# Altium PCB V1_PCB-main.PcbDoc (part 3 of 7)
Units mm, origin at the board's own origin, x right, y up, seen from the top; angles counter-clockwise.
Board outline 178 x 75 mm, 4 copper layers (Top Layer, Inner layer 1, Inner layer 2, Bottom Layer), stack 1.596 mm thick; 451 components, 230 nets, 1388 pads, 724 vias.
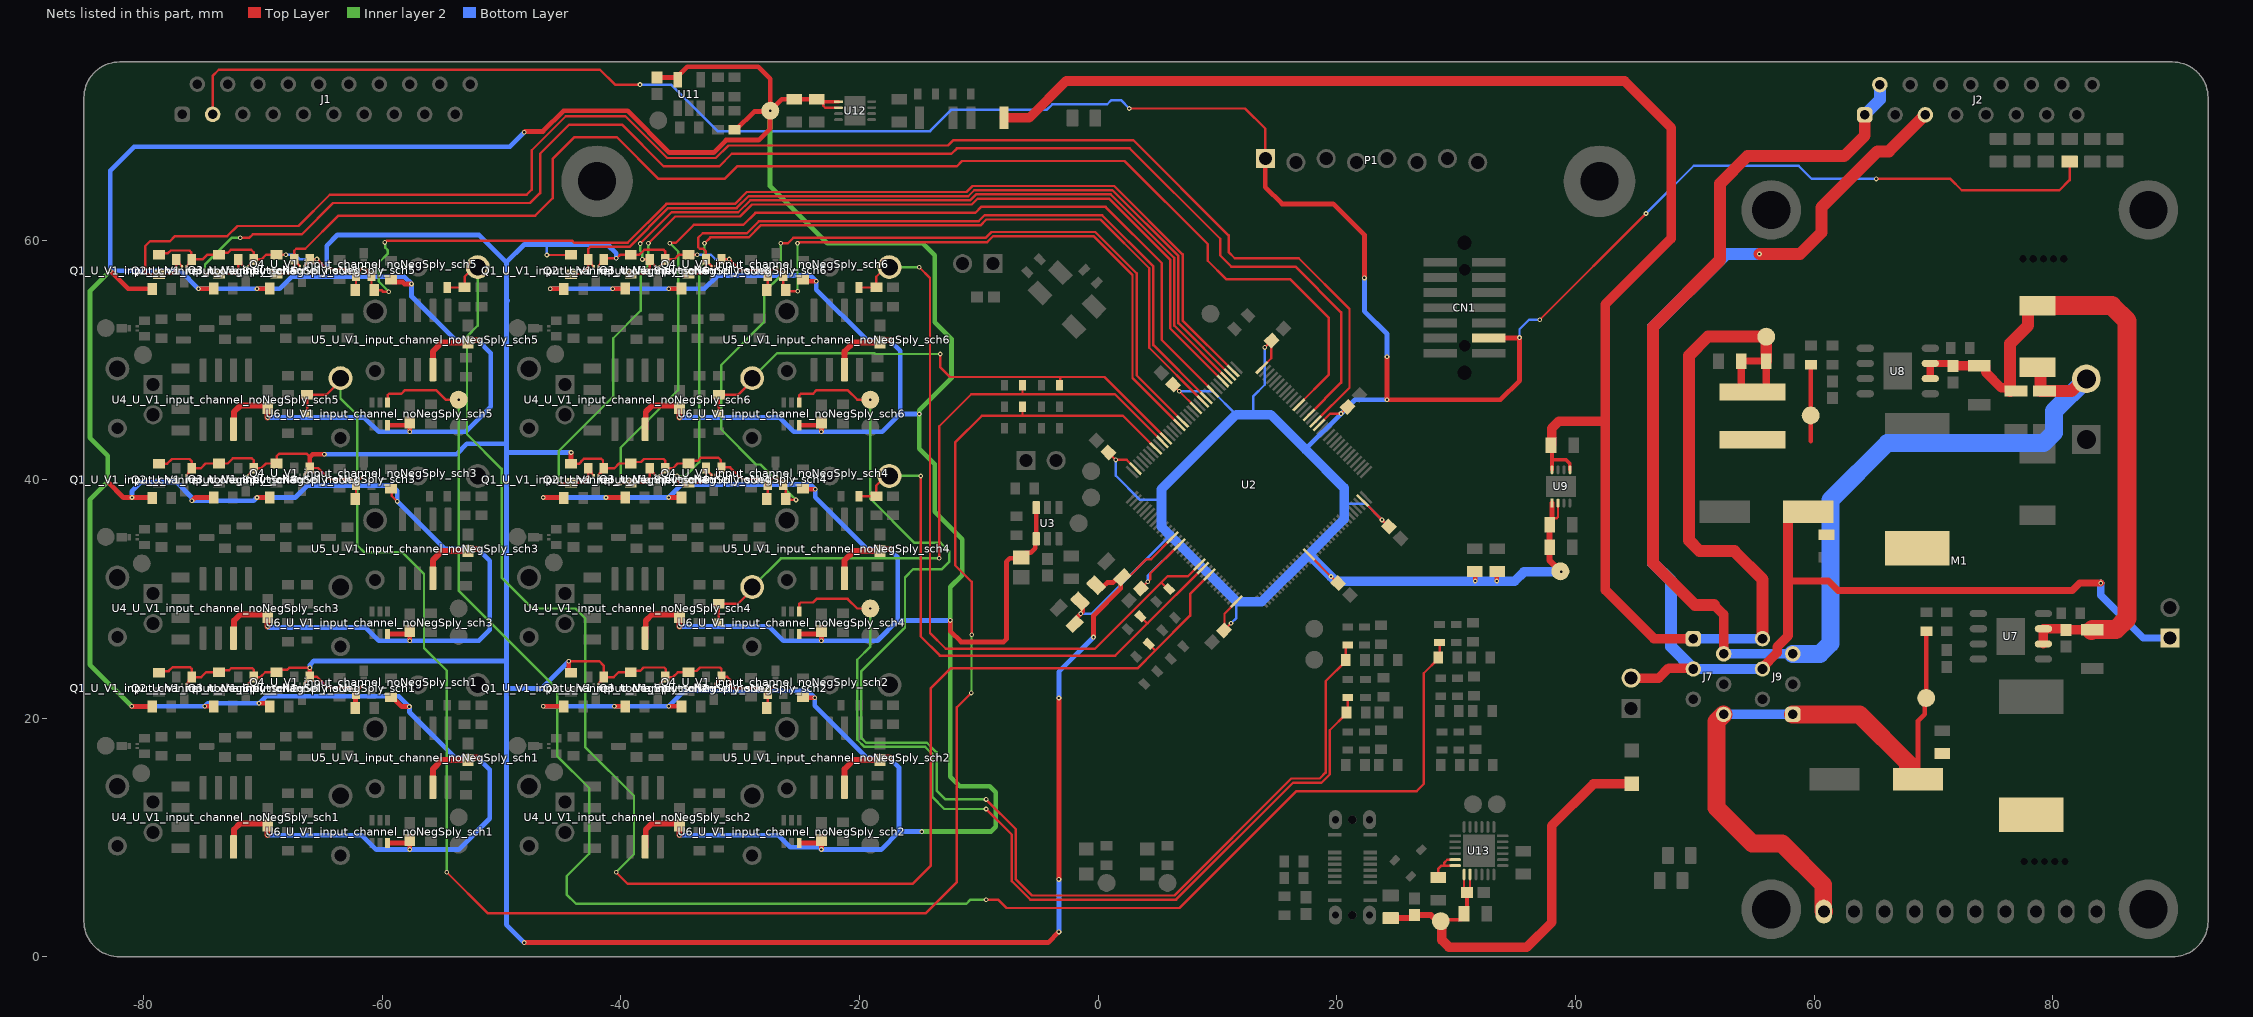
[diagram p5: the nets of this part, all layers, seen from the top]

## Via types
v1: diameter 0.4, hole 0.2, Top Layer to Bottom Layer, tented both sides, 712 vias
v2: diameter 0.5, hole 0.2, Top Layer to Bottom Layer, tented both sides, 12 vias

## Nets (pads, with @x,y where several pads share a name; then routed paths per layer and width w, separated by ;. In a path a pad name is that pad's centre, name@x,y a point inside that pad or via, vN(x,y) a via of type N, cw(c..) or ccw(c..) an arc to the next point about the centre after c; other vN are vias at no path point)
+3V3-MCU-SPLY: C3.1 C4.1 C5.1 C6.1 C7.1 C8.1 C9.1 C10.1 C11.2 C12.2 C16.2 C42.2 C43.2 CN1.3 FB1.1 FB8.1 J1.3 P1.1 TP15.1 U2.13 U2.31 U2.47 U2.64 U2.79 U2.95 U2.111 U2.128 U9.1 U9.2 | length 354.1
  Top Layer w0.2: J1.3@-74.22,70.6 -74.22,73.83 -73.7,74.35 -41.75,74.35 -40.5,73.1 v1(-38.4,73.1) ; C7.1@0.841,42.28 v1(1.47,41.65) 2.393,41.65 U2.31@3.129,40.914 ; v1(2.6,71.1) 12.3,71.1 14,69.4 P1.1@14,66.8 ; C4.1@3.571,30.871 v1(4.138,31.437) 4.35,31.65 4.35,32.127 U2.47@6.795,34.572 ; C5.1@6.271,47.954 6.271,47.923 v1(6.784,47.409) U2.13@8.205,45.989 ; C10.1@10.541,27.372 C10.1@10.575,27.406 ; v1(11.125,27.956) C10.1@10.575,27.406 ; U2.64@11.588,29.778 10.575,28.765 C10.1@10.575,27.406 ; U2.128@13.7,49.373 14.495,50.167 C8.1@14.495,51.62 ; v1(13.95,51.075) C8.1@14.495,51.62 ; C8.1@14.529,51.654 C8.1@14.495,51.62 ; U2.79@17.648,33.726 v1@19.525,31.85 ; U2.111@18.494,44.579 19.445,45.53 v1(20.345,45.53) 20.904,46.089 C3.1@20.904,46.104 ; v1(19.5,31.875) 20.054,31.321 C6.1@20.104,31.321 ; U2.95@22.16,38.238 v1(23.774,36.624) 24.326,36.072 C9.1@24.348,36.072 ; v1(37,53.4) v1(45.9,62.3) ; C43.2@37.825,36.225 37.825,36.425 38.025,36.625 38.175,36.775 38.421,36.775 38.525,36.879 U9.2@38.525,38.037 ; v1(65.2,65.2) 71.415,65.2 72.365,64.25 80.55,64.25 81.4,65.1 FB8.1@81.4,66.65
  Top Layer w0.4: C16.2@-1.982,27.903 -1.982,28.257 v1(-1.469,28.769) -1.3,28.938 -1.3,29.321 -1.159,29.463 -1.184,29.463 FB1.1@-1.525,29.803 ; P1.1@14,66.8 14,64.5 15.4,63.1 19.7,63.1 22.3,60.5 v1(22.3,56.9) ; v1(24.2,50.3) v1(24.2,46.7) 33.7,46.7 35.3,48.3 v1(35.3,51.9) 35.26,51.86 CN1.3@32.732,51.86 ; C11.2@31.556,32.303 31.6,32.259 v1(31.6,31.5) ; v1(33.4,31.5) 33.4,32.273 C12.2@33.43,32.303 ; C43.2@37.825,36.225 38.025,36.425 38.025,36.625 U9.1@38.025,38.037
  Top Layer w0.5: C43.2@37.825,36.225 C42.2@37.825,34.325 37.825,33.213 TP15.1@38.725,32.313
  Top Layer w0.6: v1(38.791,32.27) TP15.1@38.834,32.313
  Bottom Layer w0.2: v1(-38.4,73.1) -35.805,73.1 -31.905,69.2 -14.09,69.2 -12.29,71 -4.295,71 -3.845,71.45 0.75,71.45 1.1,71.8 1.9,71.8 v1(2.6,71.1) ; v1(-1.469,28.769) -0.531,28.769 6.025,35.325 ; v1(1.47,41.65) 1.47,40.33 3.5,38.3 5.3,38.3 ; v1(4.138,31.437) 4.138,31.938 6.737,34.538 6.813,34.538 ; v1(6.784,47.409) 9.591,47.409 11.55,45.45 ; v1(11.125,27.956) 11.575,28.406 11.575,29.775 ; 13,45.45 13,47 13.95,47.95 v1(13.95,51.075) ; 17.4,42.5 17.4,42.585 ; 20.6,37.988 22.41,37.988 v1(23.774,36.624) ; v1(35.3,51.9) 35.3,52.6 36.1,53.4 v1(37,53.4) ; v1(45.9,62.3) 49.9,66.3 58.69,66.3 59.79,65.2 v1(65.2,65.2)
  Bottom Layer w0.4: 17.4,42.585 v1(20.345,45.53) 21.515,46.7 v1(24.2,46.7) ; v1(22.3,56.9) 22.3,54.1 24.2,52.2 v1(24.2,50.3)
  Bottom Layer w0.8: v1(38.791,32.27) 35.67,32.27 34.9,31.5 v1(33.4,31.5) v1(31.6,31.5) 19.875,31.5 v1(19.5,31.875) 17.7,33.675 17.7,33.775 ; 17.7,33.775 20.6,36.675 20.6,37.988 20.6,39.3 17.4,42.5 14.45,45.45 13,45.45 11.55,45.45 5.3,39.2 5.3,38.3 5.3,36.05 6.025,35.325 6.813,34.538 11.575,29.775 13.7,29.775 17.7,33.775
+3V3-MCU-SPLY-ANALOG: C17.2 FB1.2 Q1_U_V1_input_channel_noNegSply_sch1.1 Q1_U_V1_input_channel_noNegSply_sch2.1 Q1_U_V1_input_channel_noNegSply_sch3.1 Q1_U_V1_input_channel_noNegSply_sch4.1 Q1_U_V1_input_channel_noNegSply_sch5.1 Q1_U_V1_input_channel_noNegSply_sch6.1 Q2_U_V1_input_channel_noNegSply_sch1.1 Q2_U_V1_input_channel_noNegSply_sch2.1 Q2_U_V1_input_channel_noNegSply_sch3.1 Q2_U_V1_input_channel_noNegSply_sch4.1 Q2_U_V1_input_channel_noNegSply_sch5.1 Q2_U_V1_input_channel_noNegSply_sch6.1 Q3_U_V1_input_channel_noNegSply_sch1.1 Q3_U_V1_input_channel_noNegSply_sch2.1 Q3_U_V1_input_channel_noNegSply_sch3.1 Q3_U_V1_input_channel_noNegSply_sch4.1 Q3_U_V1_input_channel_noNegSply_sch5.1 Q3_U_V1_input_channel_noNegSply_sch6.1 Q4_U_V1_input_channel_noNegSply_sch1.1 Q4_U_V1_input_channel_noNegSply_sch2.1 Q4_U_V1_input_channel_noNegSply_sch3.1 Q4_U_V1_input_channel_noNegSply_sch4.1 Q4_U_V1_input_channel_noNegSply_sch5.1 Q4_U_V1_input_channel_noNegSply_sch6.1 R14_U_V1_input_channel_noNegSply_sch1.2 R14_U_V1_input_channel_noNegSply_sch2.2 R14_U_V1_input_channel_noNegSply_sch3.2 R14_U_V1_input_channel_noNegSply_sch4.2 R14_U_V1_input_channel_noNegSply_sch5.2 R14_U_V1_input_channel_noNegSply_sch6.2 R16_U_V1_input_channel_noNegSply_sch1.2 R16_U_V1_input_channel_noNegSply_sch2.2 R16_U_V1_input_channel_noNegSply_sch3.2 R16_U_V1_input_channel_noNegSply_sch4.2 R16_U_V1_input_channel_noNegSply_sch5.2 R16_U_V1_input_channel_noNegSply_sch6.2 R20_U_V1_input_channel_noNegSply_sch1.2 R20_U_V1_input_channel_noNegSply_sch2.2 R20_U_V1_input_channel_noNegSply_sch3.2 R20_U_V1_input_channel_noNegSply_sch4.2 R20_U_V1_input_channel_noNegSply_sch5.2 R20_U_V1_input_channel_noNegSply_sch6.2 R23_U_V1_input_channel_noNegSply_sch1.2 R23_U_V1_input_channel_noNegSply_sch2.2 R23_U_V1_input_channel_noNegSply_sch3.2 R23_U_V1_input_channel_noNegSply_sch4.2 R23_U_V1_input_channel_noNegSply_sch5.2 R23_U_V1_input_channel_noNegSply_sch6.2 U2.45 | length 368.5
  Top Layer w0.2: R14_U_V1_input_channel_noNegSply_sch1.2@-78.7,23.825 -78.571,23.954 -77.9,23.954 -77.579,24.275 -76.1,24.275 -75.95,24.125 Q1_U_V1_input_channel_noNegSply_sch1.1@-75.95,23.45 ; R14_U_V1_input_channel_noNegSply_sch3.2@-78.7,41.325 -78.689,41.336 -78.017,41.336 -77.629,41.725 -76.15,41.725 -75.95,41.525 Q1_U_V1_input_channel_noNegSply_sch3.1@-75.95,40.95 ; R14_U_V1_input_channel_noNegSply_sch5.2@-78.7,58.825 -78.55,58.975 -77.95,58.975 -77.725,59.2 -76.15,59.2 -76,59.05 -76,58.5 Q1_U_V1_input_channel_noNegSply_sch5.1@-75.95,58.45 ; Q1_U_V1_input_channel_noNegSply_sch1.1@-76.425,22.825 -76.425,22.86 -76.2,23.085 -76.2,23.2 Q1_U_V1_input_channel_noNegSply_sch1.1@-75.95,23.45 ; Q1_U_V1_input_channel_noNegSply_sch3.1@-76.425,40.325 -76.425,40.36 -76.2,40.585 -76.2,40.7 Q1_U_V1_input_channel_noNegSply_sch3.1@-75.95,40.95 ; Q1_U_V1_input_channel_noNegSply_sch5.1@-76.425,57.825 -76.425,57.86 -76.2,58.085 -76.2,58.2 Q1_U_V1_input_channel_noNegSply_sch5.1@-75.95,58.45 ; Q2_U_V1_input_channel_noNegSply_sch1.1@-71.25,22.825 -71.25,22.86 -71.025,23.085 -71.025,23.2 Q2_U_V1_input_channel_noNegSply_sch1.1@-70.775,23.45 ; Q2_U_V1_input_channel_noNegSply_sch3.1@-71.25,40.325 -71.25,40.36 -71.025,40.585 -71.025,40.7 Q2_U_V1_input_channel_noNegSply_sch3.1@-70.775,40.95 ; Q2_U_V1_input_channel_noNegSply_sch5.1@-71.25,57.825 -71.25,57.86 -71.025,58.085 -71.025,58.2 Q2_U_V1_input_channel_noNegSply_sch5.1@-70.775,58.45 ; R20_U_V1_input_channel_noNegSply_sch5.2@-68.725,58.975 R20_U_V1_input_channel_noNegSply_sch5.2@-68.85,58.85 ; v1@-68.05,58.85 v1(-68.075,58.85) R20_U_V1_input_channel_noNegSply_sch5.2@-68.85,58.85 ; Q3_U_V1_input_channel_noNegSply_sch1.1@-66.55,22.85 -66.55,22.885 -66.325,23.11 -66.325,23.225 Q3_U_V1_input_channel_noNegSply_sch1.1@-66.075,23.475 -65.475,23.475 -64.575,22.575 -62.775,22.575 -62.625,22.425 -62.45,22.425 -62.237,22.212 -62.237,22.038 Q4_U_V1_input_channel_noNegSply_sch1.1@-62.2,22.075 -61.95,22.325 -61.95,22.44 -61.725,22.665 Q4_U_V1_input_channel_noNegSply_sch1.1@-61.725,22.7 ; Q3_U_V1_input_channel_noNegSply_sch3.1@-66.55,40.35 -66.55,40.385 -66.325,40.61 -66.325,40.725 Q3_U_V1_input_channel_noNegSply_sch3.1@-66.075,40.975 -65.375,40.975 -64.425,40.025 -62.65,40.025 -62.55,39.925 -62.45,39.925 -62.2,39.675 Q4_U_V1_input_channel_noNegSply_sch3.1@-62.2,39.575 ; Q3_U_V1_input_channel_noNegSply_sch5.1@-66.55,57.85 -66.55,57.885 -66.325,58.11 -66.325,58.225 Q3_U_V1_input_channel_noNegSply_sch5.1@-66.075,58.475 ; Q3_U_V1_input_channel_noNegSply_sch5.1@-66.125,58.525 Q3_U_V1_input_channel_noNegSply_sch5.1@-66.075,58.475 ; v1(-66.075,24.225) -67.8,24.225 -67.95,24.075 -68.625,24.075 R20_U_V1_input_channel_noNegSply_sch1.2@-68.85,23.85 -69.8,23.85 -70.2,23.45 Q2_U_V1_input_channel_noNegSply_sch1.1@-70.775,23.45 ; -66.075,41.891 -66.359,42.175 -68.625,42.175 -68.85,41.95 R20_U_V1_input_channel_noNegSply_sch3.2@-68.85,41.35 -69.75,41.35 -70.15,40.95 Q2_U_V1_input_channel_noNegSply_sch3.1@-70.775,40.95 ; R23_U_V1_input_channel_noNegSply_sch3.2@-62.275,38.375 -62.2,38.45 Q4_U_V1_input_channel_noNegSply_sch3.1@-62.2,39.575 ; R23_U_V1_input_channel_noNegSply_sch5.2@-62.275,55.875 -62.2,55.95 Q4_U_V1_input_channel_noNegSply_sch5.1@-62.2,57.075 ; Q4_U_V1_input_channel_noNegSply_sch3.1@-61.725,40.2 -61.725,40.165 -61.95,39.94 -61.95,39.825 Q4_U_V1_input_channel_noNegSply_sch3.1@-62.2,39.575 ; Q4_U_V1_input_channel_noNegSply_sch5.1@-61.725,57.7 -61.725,57.665 -61.95,57.44 -61.95,57.325 Q4_U_V1_input_channel_noNegSply_sch5.1@-62.2,57.075 ; v1(-46.2,58.825) R14_U_V1_input_channel_noNegSply_sch6.2@-44.2,58.825 R14_U_V1_input_channel_noNegSply_sch6.2@-43.938,59.087 ; v1(-44.375,24.775) -41.8,24.775 -41.45,24.425 Q1_U_V1_input_channel_noNegSply_sch2.1@-41.45,23.45 ; R14_U_V1_input_channel_noNegSply_sch4.2@-44.2,41.325 -43.5,41.325 -43.35,41.475 -43.35,41.504 -43.104,41.75 -41.65,41.75 -41.5,41.6 -41.5,41 Q1_U_V1_input_channel_noNegSply_sch4.1@-41.45,40.95 ; Q1_U_V1_input_channel_noNegSply_sch2.1@-41.925,22.825 -41.925,22.86 -41.7,23.085 -41.7,23.2 Q1_U_V1_input_channel_noNegSply_sch2.1@-41.45,23.45 ; Q1_U_V1_input_channel_noNegSply_sch4.1@-41.925,40.325 -41.925,40.36 -41.7,40.585 -41.7,40.7 Q1_U_V1_input_channel_noNegSply_sch4.1@-41.45,40.95 ; Q1_U_V1_input_channel_noNegSply_sch6.1@-41.925,57.825 -41.925,57.86 -41.7,58.085 -41.7,58.2 Q1_U_V1_input_channel_noNegSply_sch6.1@-41.45,58.45 ; Q1_U_V1_input_channel_noNegSply_sch6.1@-41.575,58.575 Q1_U_V1_input_channel_noNegSply_sch6.1@-41.45,58.45 ; Q2_U_V1_input_channel_noNegSply_sch2.1@-36.75,22.825 -36.75,22.86 -36.525,23.085 -36.525,23.2 Q2_U_V1_input_channel_noNegSply_sch2.1@-36.275,23.45 ; Q2_U_V1_input_channel_noNegSply_sch4.1@-36.75,40.325 -36.75,40.36 -36.525,40.585 -36.525,40.7 Q2_U_V1_input_channel_noNegSply_sch4.1@-36.275,40.95 ; Q2_U_V1_input_channel_noNegSply_sch6.1@-36.75,57.825 -36.75,57.86 -36.525,58.085 -36.525,58.2 Q2_U_V1_input_channel_noNegSply_sch6.1@-36.275,58.45 ; v1(-33.6,58.85) R20_U_V1_input_channel_noNegSply_sch6.2@-34.35,58.85 -35.125,58.85 -35.525,58.45 Q2_U_V1_input_channel_noNegSply_sch6.1@-36.275,58.45 ; Q3_U_V1_input_channel_noNegSply_sch2.1@-32.05,22.85 -32.05,22.885 -31.825,23.11 -31.825,23.225 Q3_U_V1_input_channel_noNegSply_sch2.1@-31.575,23.475 ; Q3_U_V1_input_channel_noNegSply_sch4.1@-32.05,40.35 -32.05,40.385 -31.825,40.61 -31.825,40.725 Q3_U_V1_input_channel_noNegSply_sch4.1@-31.575,40.975 Q3_U_V1_input_channel_noNegSply_sch4.1@-31.625,41.025 ; Q3_U_V1_input_channel_noNegSply_sch6.1@-32.05,57.85 -32.05,57.885 -31.825,58.11 -31.825,58.225 Q3_U_V1_input_channel_noNegSply_sch6.1@-31.575,58.475 v1(-30.925,58.475) -30,57.55 -28.487,57.55 -28.363,57.425 -27.95,57.425 -27.7,57.175 Q4_U_V1_input_channel_noNegSply_sch6.1@-27.7,57.075 ; R23_U_V1_input_channel_noNegSply_sch2.2@-27.775,20.875 -27.7,20.95 Q4_U_V1_input_channel_noNegSply_sch2.1@-27.7,22.075 ; R23_U_V1_input_channel_noNegSply_sch4.2@-27.775,38.375 -27.7,38.45 Q4_U_V1_input_channel_noNegSply_sch4.1@-27.7,39.575 ; R23_U_V1_input_channel_noNegSply_sch6.2@-27.775,55.875 -27.7,55.95 Q4_U_V1_input_channel_noNegSply_sch6.1@-27.7,57.075 ; Q4_U_V1_input_channel_noNegSply_sch2.1@-27.225,22.7 -27.225,22.665 -27.45,22.44 -27.45,22.325 Q4_U_V1_input_channel_noNegSply_sch2.1@-27.7,22.075 ; Q4_U_V1_input_channel_noNegSply_sch4.1@-27.225,40.2 -27.225,40.165 -27.45,39.94 -27.45,39.825 Q4_U_V1_input_channel_noNegSply_sch4.1@-27.7,39.575 ; Q4_U_V1_input_channel_noNegSply_sch6.1@-27.225,57.7 -27.225,57.665 -27.45,57.44 -27.45,57.325 Q4_U_V1_input_channel_noNegSply_sch6.1@-27.7,57.075 ; C17.2@2.023,31.808 2.518,31.808 4.049,33.339 4.434,33.339 U2.45@6.231,35.136 ; Q1_U_V1_input_channel_noNegSply_sch1.1@-75.95,23.45 -75.175,23.45 -74.775,23.85 R16_U_V1_input_channel_noNegSply_sch1.2@-73.675,23.85 -73.5,24.025 -72.825,24.025 -72.65,24.2 -70.892,24.2 -70.775,24.083 Q2_U_V1_input_channel_noNegSply_sch1.1@-70.775,23.45 ; Q1_U_V1_input_channel_noNegSply_sch3.1@-75.95,40.95 -75.2,40.95 -74.8,41.35 R16_U_V1_input_channel_noNegSply_sch3.2@-73.675,41.35 -72.95,41.35 -72.525,41.775 -70.925,41.775 -70.775,41.625 Q2_U_V1_input_channel_noNegSply_sch3.1@-70.775,40.95 ; Q1_U_V1_input_channel_noNegSply_sch5.1@-75.95,58.45 -75.05,58.45 -74.65,58.85 R16_U_V1_input_channel_noNegSply_sch5.2@-73.675,58.85 -73.525,59 -72.95,59 -72.7,59.25 -70.975,59.25 -70.775,59.05 Q2_U_V1_input_channel_noNegSply_sch5.1@-70.775,58.45 ; Q2_U_V1_input_channel_noNegSply_sch5.1@-70.775,58.45 -70.125,58.45 -69.725,58.85 R20_U_V1_input_channel_noNegSply_sch5.2@-68.85,58.85 ; Q3_U_V1_input_channel_noNegSply_sch5.1@-66.075,58.475 v1(-65.475,58.475) v1(-64.65,57.65) -63.196,57.65 -62.971,57.425 -62.45,57.425 -62.2,57.175 Q4_U_V1_input_channel_noNegSply_sch5.1@-62.2,57.075 ; Q1_U_V1_input_channel_noNegSply_sch2.1@-41.45,23.45 -40.6,23.45 -40.2,23.85 R16_U_V1_input_channel_noNegSply_sch2.2@-39.175,23.85 -39.042,23.983 -38.367,23.983 -38.1,24.25 -36.367,24.25 -36.25,24.133 -36.25,23.475 Q2_U_V1_input_channel_noNegSply_sch2.1@-36.275,23.45 ; Q1_U_V1_input_channel_noNegSply_sch4.1@-41.45,40.95 -40.55,40.95 -40.15,41.35 R16_U_V1_input_channel_noNegSply_sch4.2@-39.175,41.35 -39.05,41.475 -38.325,41.475 -38.075,41.725 -36.425,41.725 -36.275,41.575 Q2_U_V1_input_channel_noNegSply_sch4.1@-36.275,40.95 ; Q1_U_V1_input_channel_noNegSply_sch6.1@-41.45,58.45 -41.35,58.55 v1(-40.4,58.55) -40.346,58.55 -40.046,58.85 R16_U_V1_input_channel_noNegSply_sch6.2@-39.175,58.85 -38.45,58.85 -38.05,59.25 -36.425,59.25 -36.275,59.1 Q2_U_V1_input_channel_noNegSply_sch6.1@-36.275,58.45 ; Q2_U_V1_input_channel_noNegSply_sch2.1@-36.275,23.45 -35.625,23.45 -35.225,23.85 R20_U_V1_input_channel_noNegSply_sch2.2@-34.35,23.85 -34.242,23.958 -33.667,23.958 -33.375,24.25 -31.7,24.25 -31.575,24.125 Q3_U_V1_input_channel_noNegSply_sch2.1@-31.575,23.475 ; Q2_U_V1_input_channel_noNegSply_sch4.1@-36.275,40.95 -35.65,40.95 -35.25,41.35 R20_U_V1_input_channel_noNegSply_sch4.2@-34.35,41.35 -34.125,41.575 -33.55,41.575 -33.3,41.825 -31.825,41.825 -31.625,41.625 Q3_U_V1_input_channel_noNegSply_sch4.1@-31.625,41.025 ; Q3_U_V1_input_channel_noNegSply_sch4.1@-31.625,41.025 -30.85,41.025 -29.85,40.025 -28.45,40.025 -28.35,39.925 -27.95,39.925 -27.7,39.675 Q4_U_V1_input_channel_noNegSply_sch4.1@-27.7,39.575 ; Q3_U_V1_input_channel_noNegSply_sch2.1@-31.575,23.475 -31.1,23.475 -30.85,23.225 -30.85,22.725 -30.65,22.525 -28.525,22.525 -28.425,22.425 -27.95,22.425 -27.7,22.175 Q4_U_V1_input_channel_noNegSply_sch2.1@-27.7,22.075
  Top Layer w0.4: Q3_U_V1_input_channel_noNegSply_sch1.1@-66.075,23.475 v1(-66.075,24.225) ; Q3_U_V1_input_channel_noNegSply_sch3.1@-66.075,40.975 -66.075,41.891 -65.841,42.125 v1(-64.85,42.125) ; R23_U_V1_input_channel_noNegSply_sch1.2@-62.3,20.85 R23_U_V1_input_channel_noNegSply_sch1.2@-62.275,20.875 -62.237,20.913 Q4_U_V1_input_channel_noNegSply_sch1.1@-62.237,22.038 ; v1(-48.1,1.2) -4.2,1.2 v1(-3.3,2.1) ; v1(-44.375,24.775) -44.375,24 R14_U_V1_input_channel_noNegSply_sch2.2@-44.2,23.825 ; R14_U_V1_input_channel_noNegSply_sch4.2@-44.2,41.325 -44.175,41.35 v1(-44.175,42.275) ; v1(-3.3,6.5) v1(-3.3,21.7) ; v1(-0.4,26.8) -0.4,28.6 1.882,30.882 1.882,31.667 C17.2@2.023,31.808 1.67,31.808 1.233,31.372 0.75,31.372 0.384,31.005 -0.04,31.005 FB1.2@-0.182,31.147
  Bottom Layer w0.2: v1(-68.075,58.85) -67.3,58.85 -66.925,58.475 v1(-65.475,58.475) ; v1(-46.2,58.825) -46.2,59.675 -46.175,59.7 ; v1(-33.6,58.85) -32.475,58.85 -32.1,58.475 v1(-30.925,58.475)
  Bottom Layer w0.4: v1(-66.075,24.225) -66.05,24.25 -66.05,24.475 -65.725,24.8 -49.6,24.8 ; v1(-64.85,42.125) -53.775,42.125 -52.9,43 -49.6,43 ; v1(-64.65,57.65) -64.65,59.6 -63.75,60.5 -51.9,60.5 -49.6,58.2 ; -49.5,55 -49.6,54.9 ; v1(-48.1,1.2) -49.6,2.7 -49.6,22.5 ; v1(-44.375,24.775) -46.65,22.5 -49.6,22.5 ; v1(-44.175,42.275) -49.6,42.275 ; v1(-40.4,58.55) -40.4,58.975 -41.125,59.7 -43,59.7 -46.175,59.7 -48.1,59.7 -49.6,58.2 ; v1(-3.3,2.1) v1(-3.3,6.5) ; v1(-3.3,21.7) -3.3,23.9 v1(-0.4,26.8) ; -49.6,22.5 -49.6,24.8 ; -49.6,24.8 -49.6,37.7 -49.6,42.275 ; -49.6,42.275 -49.6,43 ; -49.6,43 -49.6,54.9 ; -49.6,54.9 -49.6,58.2
+3V3-USB-BRIDGE: C57.2 U13.5 U13.6 | length 3.5
  Top Layer w0.2: C57.2@28.5,6.65 28.5,7.4 28.75,7.65 29,7.65 ; U13.6@29.91,7.65 29,7.65 ; U13.5@29.91,8.15 29.903,8.142 29.242,8.142 29,7.9 29,7.65
+5V0-ANALOG: C13.1 C25_U_V1_input_channel_noNegSply_sch1.1 C25_U_V1_input_channel_noNegSply_sch2.1 C25_U_V1_input_channel_noNegSply_sch3.1 C25_U_V1_input_channel_noNegSply_sch4.1 C25_U_V1_input_channel_noNegSply_sch5.1 C25_U_V1_input_channel_noNegSply_sch6.1 C27_U_V1_input_channel_noNegSply_sch1.1 C27_U_V1_input_channel_noNegSply_sch2.1 C27_U_V1_input_channel_noNegSply_sch3.1 C27_U_V1_input_channel_noNegSply_sch4.1 C27_U_V1_input_channel_noNegSply_sch5.1 C27_U_V1_input_channel_noNegSply_sch6.1 C28_U_V1_input_channel_noNegSply_sch1.1 C28_U_V1_input_channel_noNegSply_sch2.1 C28_U_V1_input_channel_noNegSply_sch3.1 C28_U_V1_input_channel_noNegSply_sch4.1 C28_U_V1_input_channel_noNegSply_sch5.1 C28_U_V1_input_channel_noNegSply_sch6.1 C50.1 C52.2 C53.2 R15_U_V1_input_channel_noNegSply_sch1.2 R15_U_V1_input_channel_noNegSply_sch2.2 R15_U_V1_input_channel_noNegSply_sch3.2 R15_U_V1_input_channel_noNegSply_sch4.2 R15_U_V1_input_channel_noNegSply_sch5.2 R15_U_V1_input_channel_noNegSply_sch6.2 R17_U_V1_input_channel_noNegSply_sch1.2 R17_U_V1_input_channel_noNegSply_sch2.2 R17_U_V1_input_channel_noNegSply_sch3.2 R17_U_V1_input_channel_noNegSply_sch4.2 R17_U_V1_input_channel_noNegSply_sch5.2 R17_U_V1_input_channel_noNegSply_sch6.2 R21_U_V1_input_channel_noNegSply_sch1.2 R21_U_V1_input_channel_noNegSply_sch2.2 R21_U_V1_input_channel_noNegSply_sch3.2 R21_U_V1_input_channel_noNegSply_sch4.2 R21_U_V1_input_channel_noNegSply_sch5.2 R21_U_V1_input_channel_noNegSply_sch6.2 R24_U_V1_input_channel_noNegSply_sch1.2 R24_U_V1_input_channel_noNegSply_sch2.2 R24_U_V1_input_channel_noNegSply_sch3.2 R24_U_V1_input_channel_noNegSply_sch4.2 R24_U_V1_input_channel_noNegSply_sch5.2 R24_U_V1_input_channel_noNegSply_sch6.2 R37.1 TP18.1 U3.3 U3.4 U4_U_V1_input_channel_noNegSply_sch1.7 U4_U_V1_input_channel_noNegSply_sch2.7 U4_U_V1_input_channel_noNegSply_sch3.7 U4_U_V1_input_channel_noNegSply_sch4.7 U4_U_V1_input_channel_noNegSply_sch5.7 U4_U_V1_input_channel_noNegSply_sch6.7 U5_U_V1_input_channel_noNegSply_sch1.7 U5_U_V1_input_channel_noNegSply_sch2.7 U5_U_V1_input_channel_noNegSply_sch3.7 U5_U_V1_input_channel_noNegSply_sch4.7 U5_U_V1_input_channel_noNegSply_sch5.7 U5_U_V1_input_channel_noNegSply_sch6.7 U6_U_V1_input_channel_noNegSply_sch1.6 U6_U_V1_input_channel_noNegSply_sch2.6 U6_U_V1_input_channel_noNegSply_sch3.6 U6_U_V1_input_channel_noNegSply_sch4.6 U6_U_V1_input_channel_noNegSply_sch5.6 U6_U_V1_input_channel_noNegSply_sch6.6 U11.5 U12.1 U12.2 | length 716
  Top Layer w0.2: R24_U_V1_input_channel_noNegSply_sch3.2@-59.25,39.25 -59.2,39.2 -59.2,38.625 v1(-58.75,38.175) ; C52.2@-23.182,71.666 -23.382,71.866 C52.2@-23.582,71.866 -23.382,71.666 -23.282,71.566 -23.082,71.566 -23.032,71.516 -23.032,71.316 -22.882,71.166 U12.2@-21.77,71.166
  Top Layer w0.3: C52.2@-23.382,71.666 -23.182,71.666 U12.1@-21.77,71.666
  Top Layer w0.4: v1(-83,39.8) -81.7,38.5 v1(-80.975,38.5) R15_U_V1_input_channel_noNegSply_sch3.2@-79.275,38.5 ; v1(-82.8,57.5) -81.3,56 -79.3,56 R15_U_V1_input_channel_noNegSply_sch5.2@-79.275,55.975 ; v1(-81,21) -80.975,20.975 R15_U_V1_input_channel_noNegSply_sch1.2@-79.275,20.975 ; v1(-75.95,38.225) -75.675,38.5 R17_U_V1_input_channel_noNegSply_sch3.2@-74.125,38.5 ; v1(-75.4,56) R17_U_V1_input_channel_noNegSply_sch5.2@-74.125,56 ; v1(-74.875,21) R17_U_V1_input_channel_noNegSply_sch1.2@-74.125,21 ; v1(-70.5,38.5) R21_U_V1_input_channel_noNegSply_sch3.2@-69.8,38.5 ; v1(-70.5,56) R21_U_V1_input_channel_noNegSply_sch5.2@-69.8,56 ; v1(-70.325,21.25) -69.625,21.25 -69.425,21.05 R21_U_V1_input_channel_noNegSply_sch1.2@-69.425,21 ; U6_U_V1_input_channel_noNegSply_sch1.6@-59.55,9.55 -57.948,9.55 C28_U_V1_input_channel_noNegSply_sch1.1@-57.7,9.798 v1(-57.7,9) ; U6_U_V1_input_channel_noNegSply_sch3.6@-59.55,27.05 -57.948,27.05 C28_U_V1_input_channel_noNegSply_sch3.1@-57.7,27.298 v1(-57.7,26.5) ; U6_U_V1_input_channel_noNegSply_sch5.6@-59.55,44.55 -57.948,44.55 C28_U_V1_input_channel_noNegSply_sch5.1@-57.7,44.798 v1(-57.7,44) ; R24_U_V1_input_channel_noNegSply_sch1.2@-59.25,21.75 -59.15,21.75 -58.375,20.975 v1(-57.725,20.975) ; R24_U_V1_input_channel_noNegSply_sch5.2@-59.25,56.75 -59.05,56.55 -58.3,56.55 -58.15,56.4 v1(-57.55,56.4) ; v1(-48.1,69.1) -48.029,69.171 -46.54,69.171 -44.811,70.9 -39.439,70.9 -35.939,67.4 -32.236,67.4 -31.186,68.45 -28.45,68.45 -27.5,69.4 v1(-27.5,70.9) -27.557,70.843 -28.832,70.843 -30.375,69.3 R37.1@-30.475,69.3 ; v1(-46.5,21) -44.8,21 R15_U_V1_input_channel_noNegSply_sch2.2@-44.775,20.975 ; v1(-46.5,38.5) R15_U_V1_input_channel_noNegSply_sch4.2@-44.775,38.5 ; v1(-45.925,56) -44.8,56 R15_U_V1_input_channel_noNegSply_sch6.2@-44.775,55.975 ; v1(-41.25,38.5) R17_U_V1_input_channel_noNegSply_sch4.2@-39.625,38.5 ; v1(-40.7,56) R17_U_V1_input_channel_noNegSply_sch6.2@-39.625,56 ; v1(-40.55,21) R17_U_V1_input_channel_noNegSply_sch2.2@-39.625,21 ; C50.1@-36.975,73.702 -35.375,73.702 U11.5@-35.225,73.552 ; v1(-36,21) R21_U_V1_input_channel_noNegSply_sch2.2@-35.3,21 ; v1(-36,38.5) R21_U_V1_input_channel_noNegSply_sch4.2@-35.3,38.5 ; v1(-36,56) R21_U_V1_input_channel_noNegSply_sch6.2@-35.3,56 ; U11.5@-35.225,73.5 U11.5@-35.225,73.552 ; U6_U_V1_input_channel_noNegSply_sch2.6@-25.05,9.55 -23.448,9.55 C28_U_V1_input_channel_noNegSply_sch2.1@-23.2,9.798 v1(-23.2,9) ; U6_U_V1_input_channel_noNegSply_sch4.6@-25.05,27.05 -23.448,27.05 C28_U_V1_input_channel_noNegSply_sch4.1@-23.2,27.298 v1(-23.2,26.5) ; U6_U_V1_input_channel_noNegSply_sch6.6@-25.05,44.55 -23.448,44.55 C28_U_V1_input_channel_noNegSply_sch6.1@-23.2,44.798 v1(-23.2,44) ; R24_U_V1_input_channel_noNegSply_sch2.2@-24.75,21.75 -24.725,21.725 v1(-23.75,21.725) ; R24_U_V1_input_channel_noNegSply_sch4.2@-24.75,39.25 -24.7,39.2 v1(-23.725,39.2) ; R24_U_V1_input_channel_noNegSply_sch6.2@-24.75,56.75 -24.625,56.625 v1(-23.625,56.625) ; C52.2@-23.582,71.866 C53.2@-25.482,71.866 -26.532,71.866 TP18.1@-27.482,70.916 -27.482,73.582 -28.5,74.6 -34.425,74.6 -35.225,73.8 U11.5@-35.225,73.552 ; v1(-12.4,28.2) -12.4,27.3 -11.5,26.4 -7.934,26.4 -7.7,26.634 -7.7,33.1 -7.4,33.4 -6.519,33.4 C13.1@-6.446,33.473 ; C13.1@-6.574,33.6 C13.1@-6.446,33.473 ; U3.3@-5.196,37.646 U3.4@-5.196,35.046 -5.272,34.971 -5.272,34.253 -5.649,33.876 -6.043,33.876 C13.1@-6.446,33.473